# Altium PCB OSA_V100.PcbDoc (part 1 of 5)
Units mm, origin at the board's own origin, x right, y up, seen from the top; angles counter-clockwise.
Board outline 82 x 80 mm, 6 copper layers ([L1] TOP, [L2] GND_1, [L3] SIGNAL, [L4] POWER, [L5] GND_2, [L6] BOTTOM), stack 1.608 mm thick; 297 components, 180 nets, 1222 pads, 1522 vias.
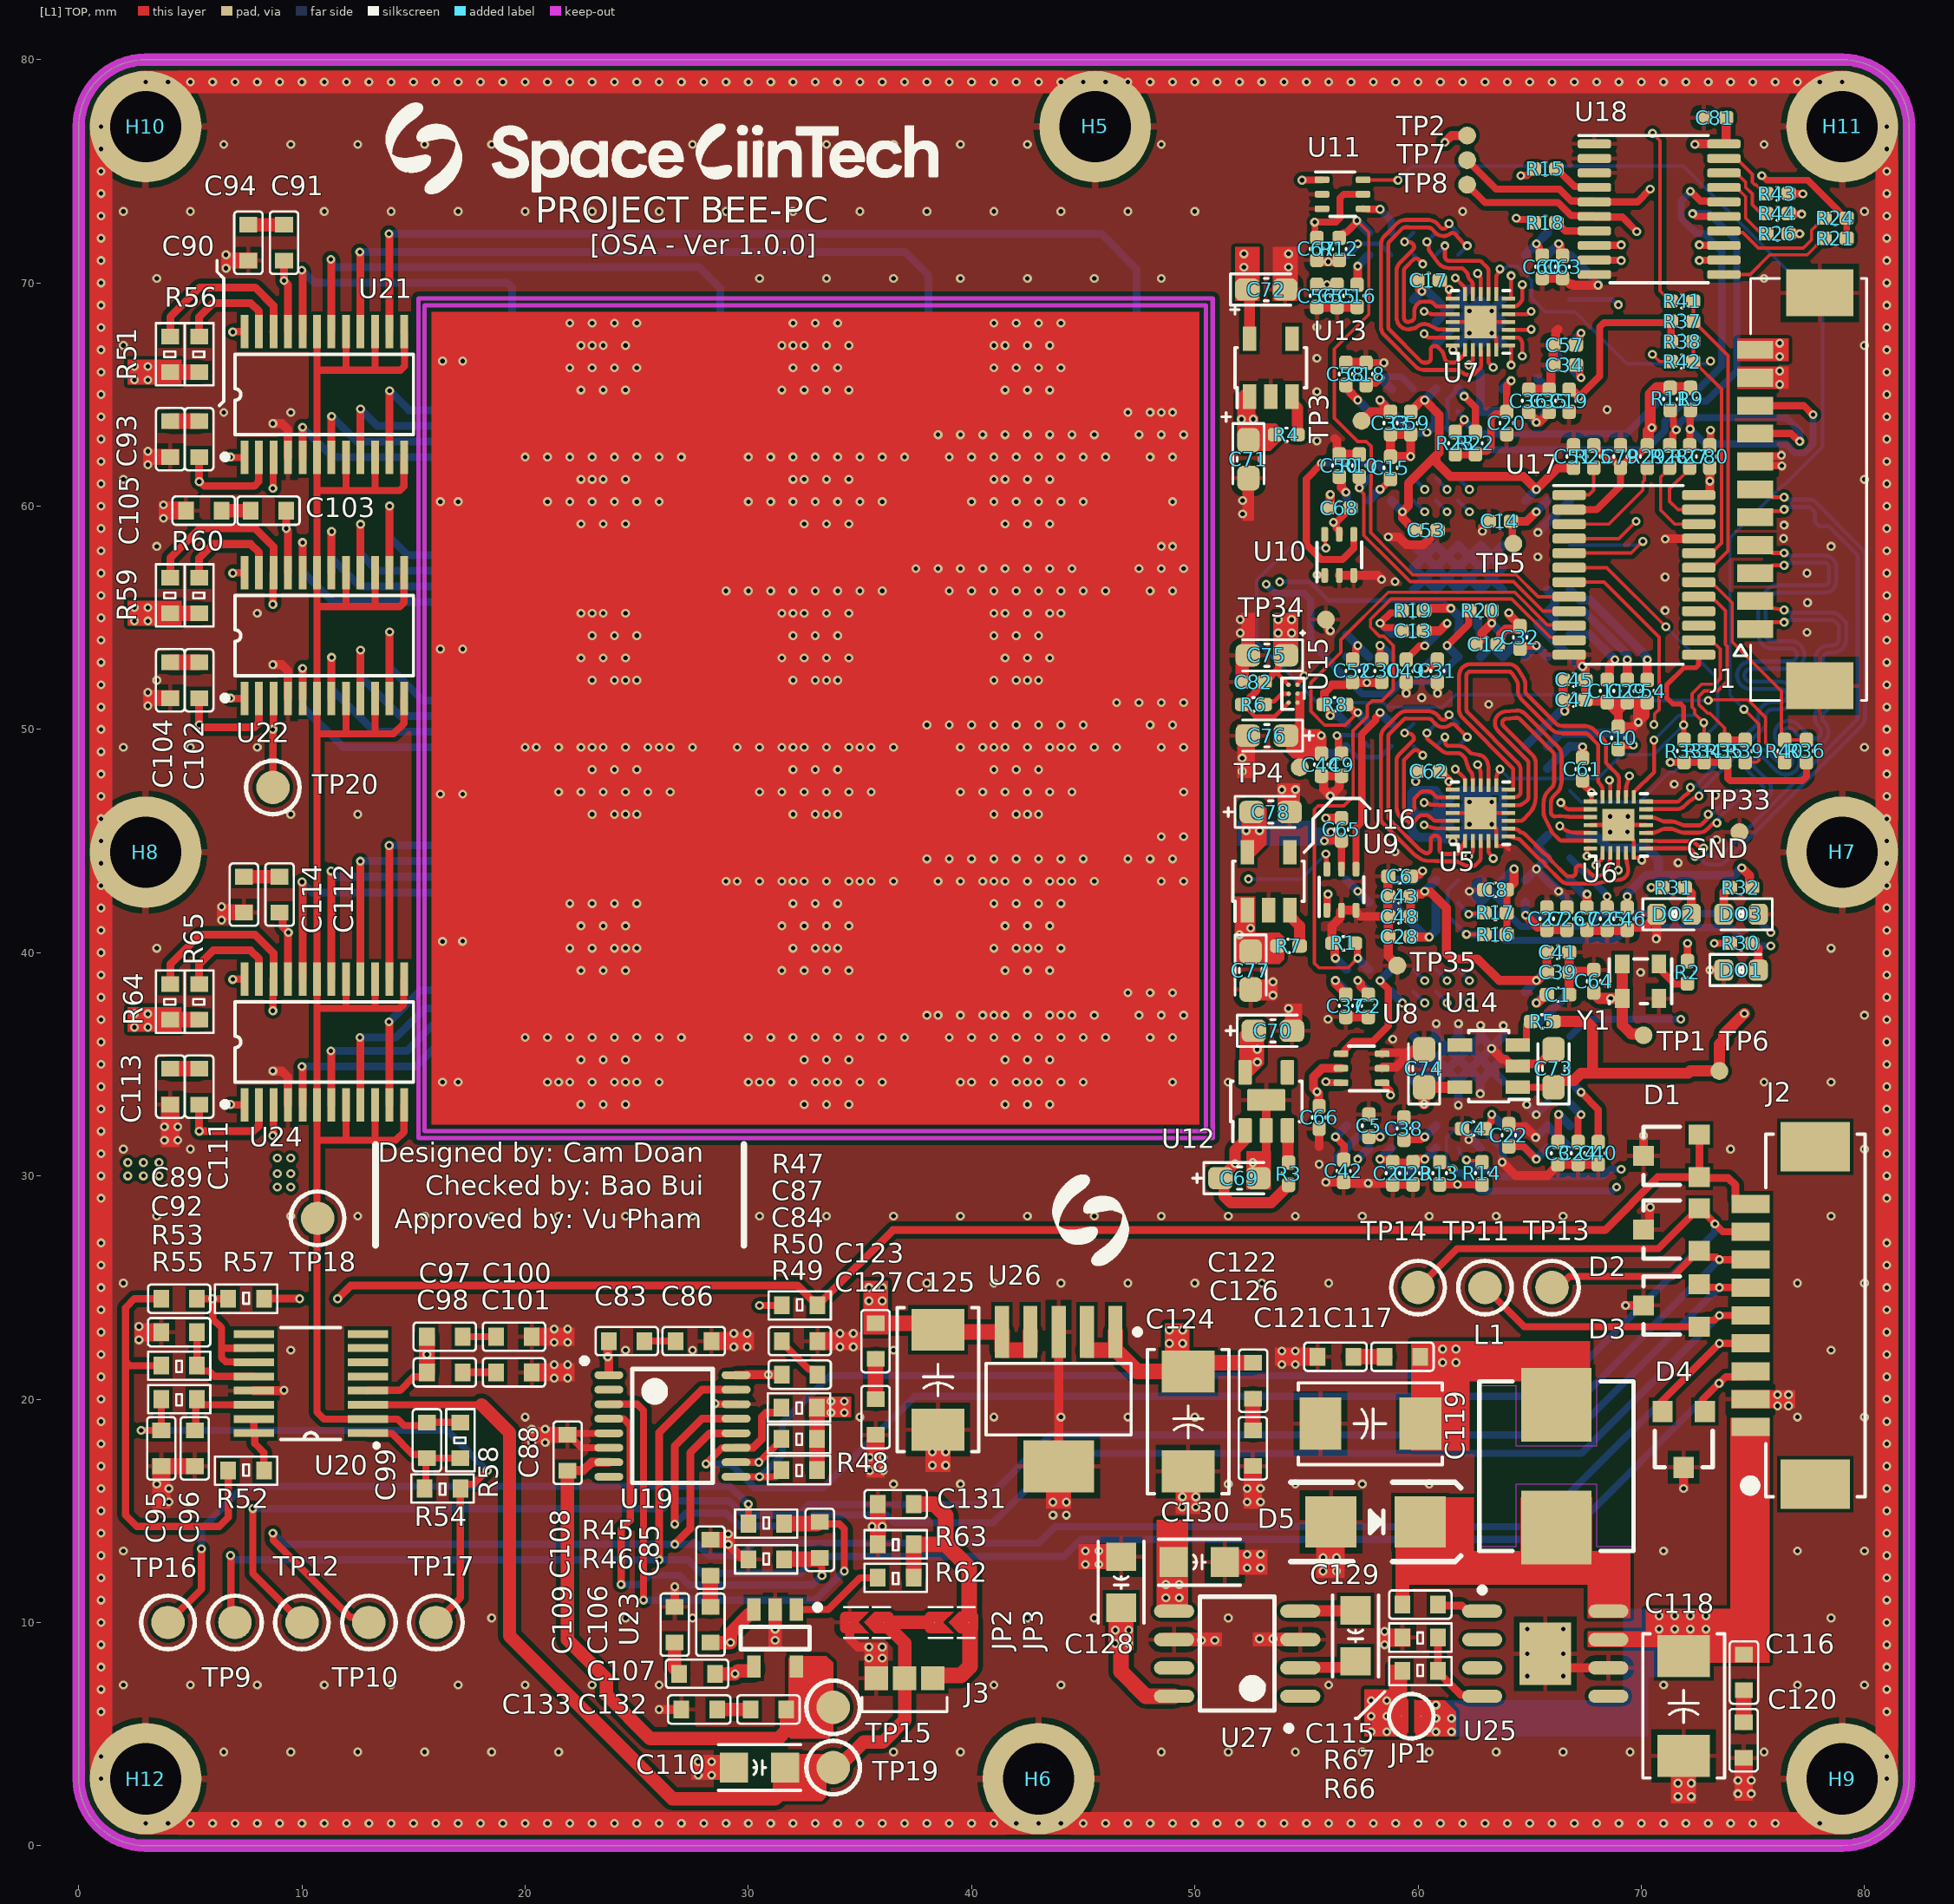
[diagram p0: [L1] TOP view]
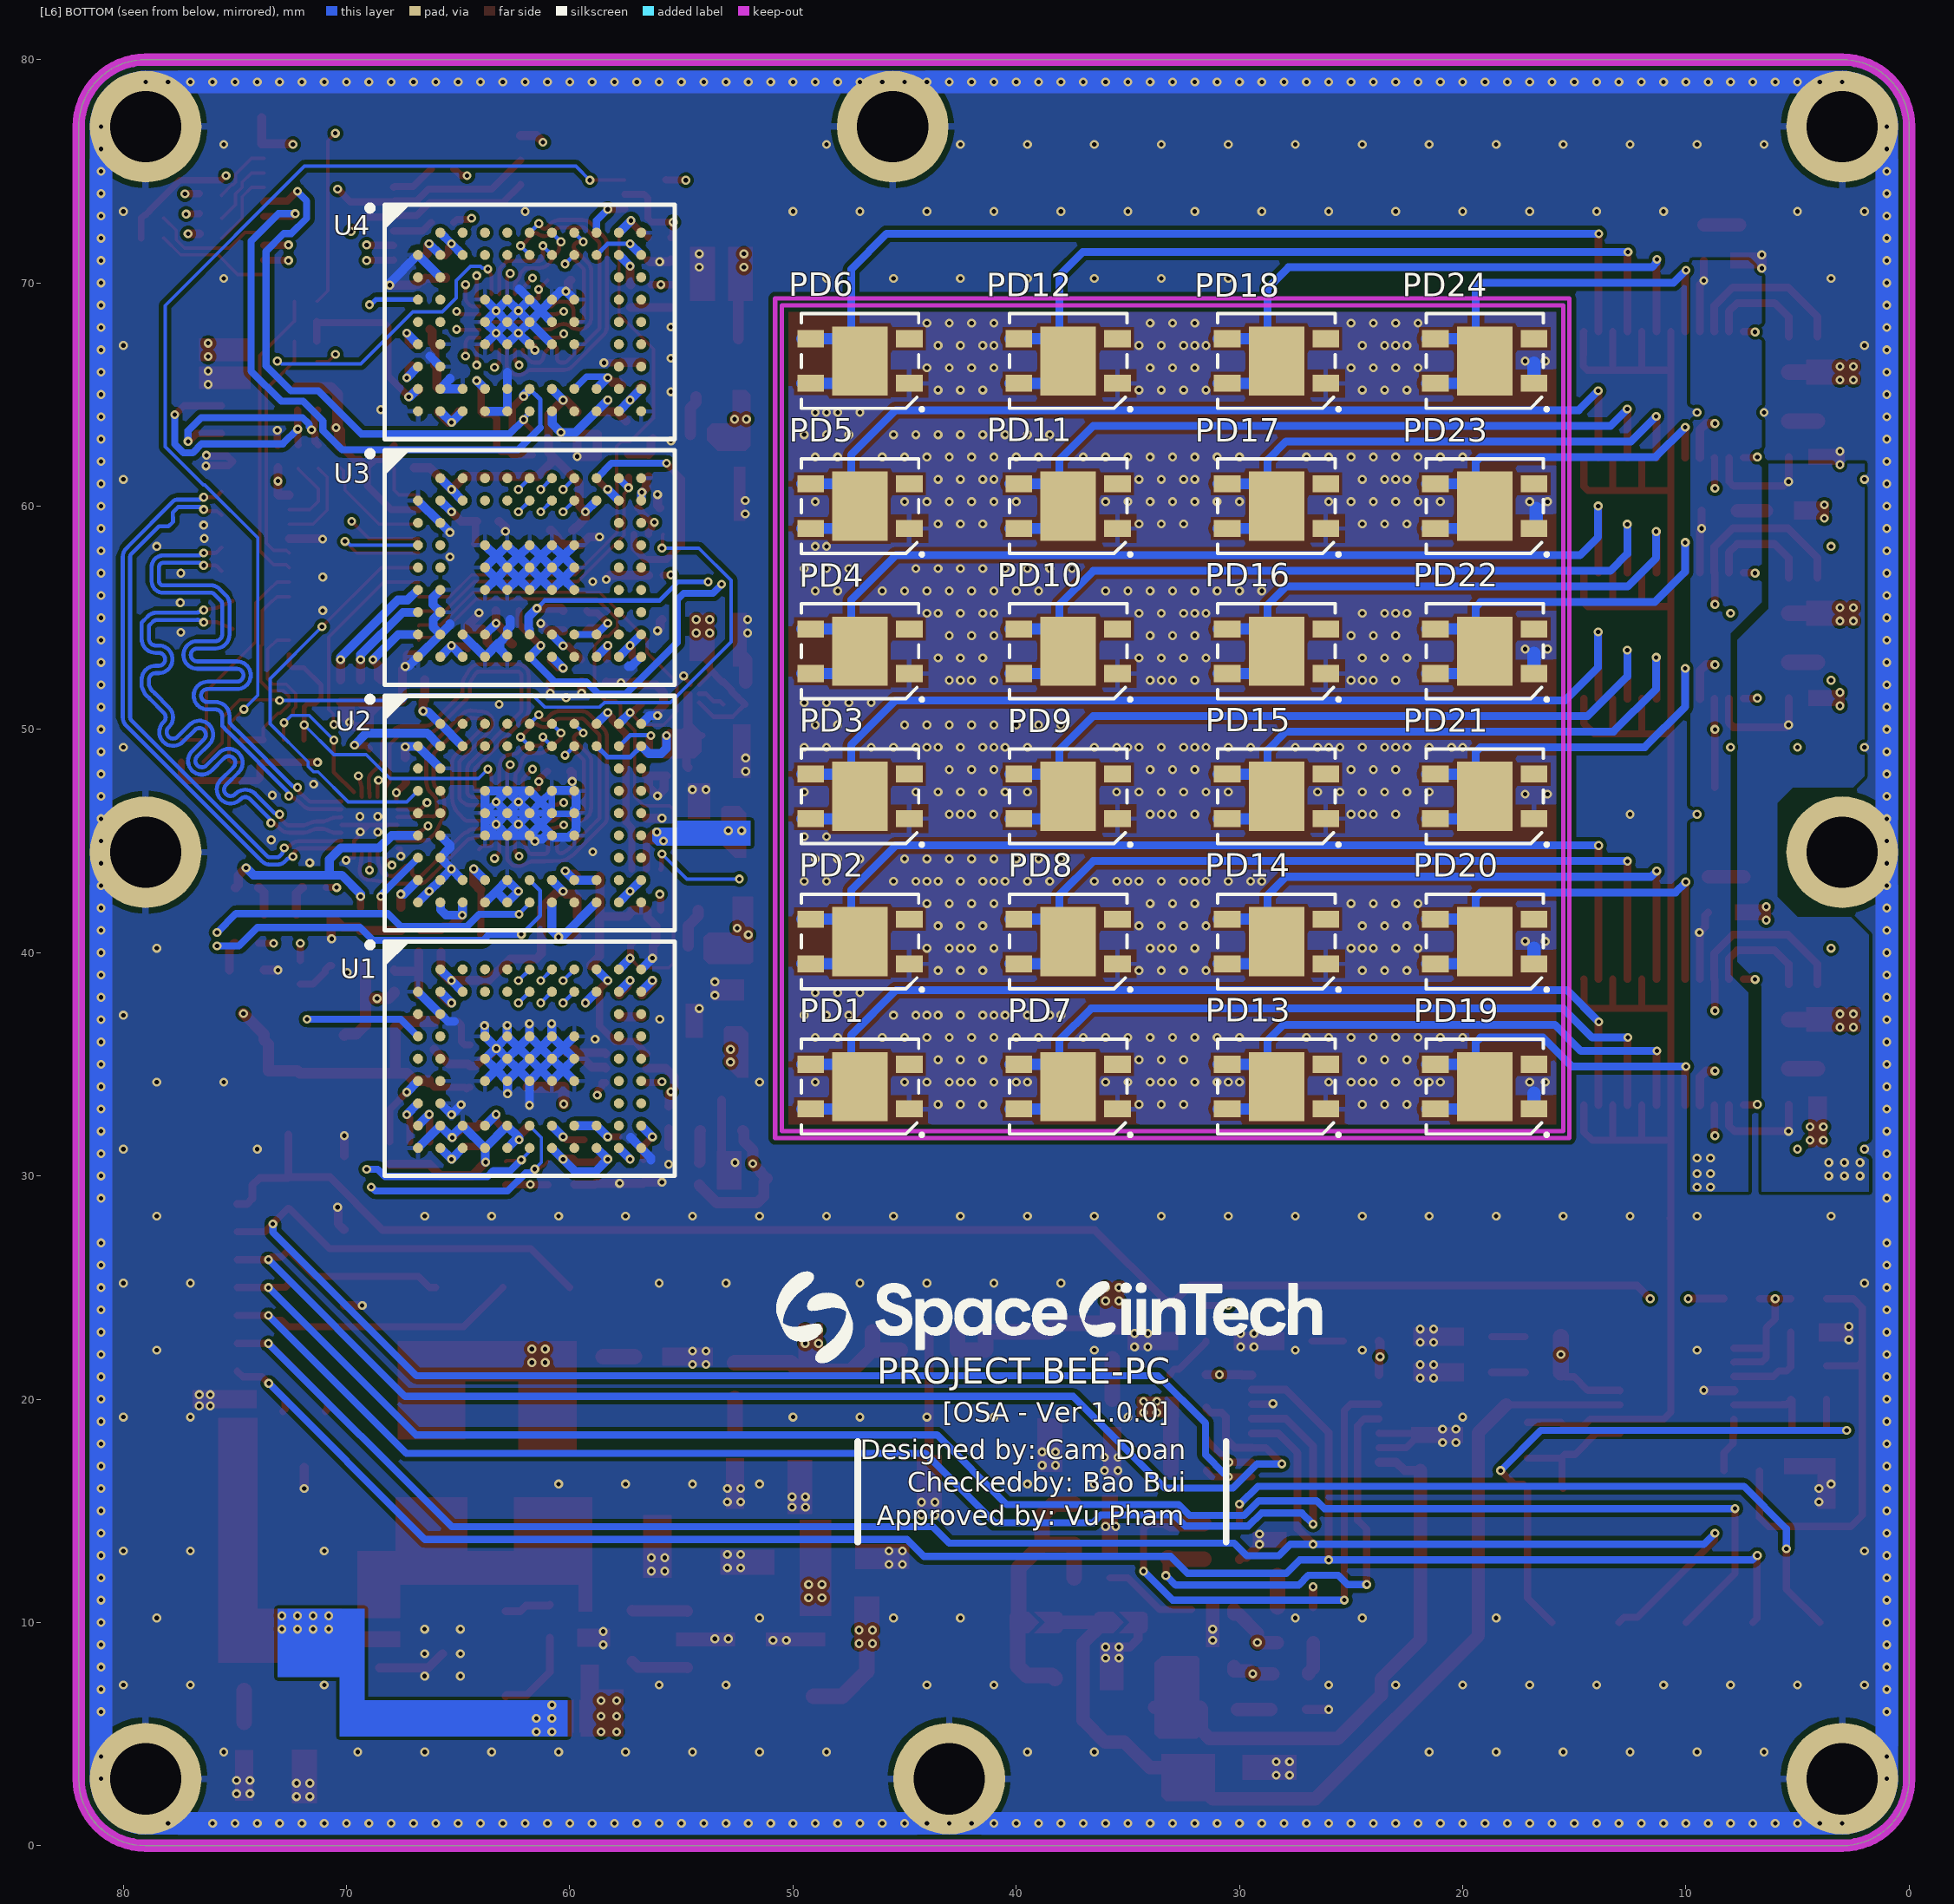
[diagram p1: [L6] BOTTOM view, seen from below]
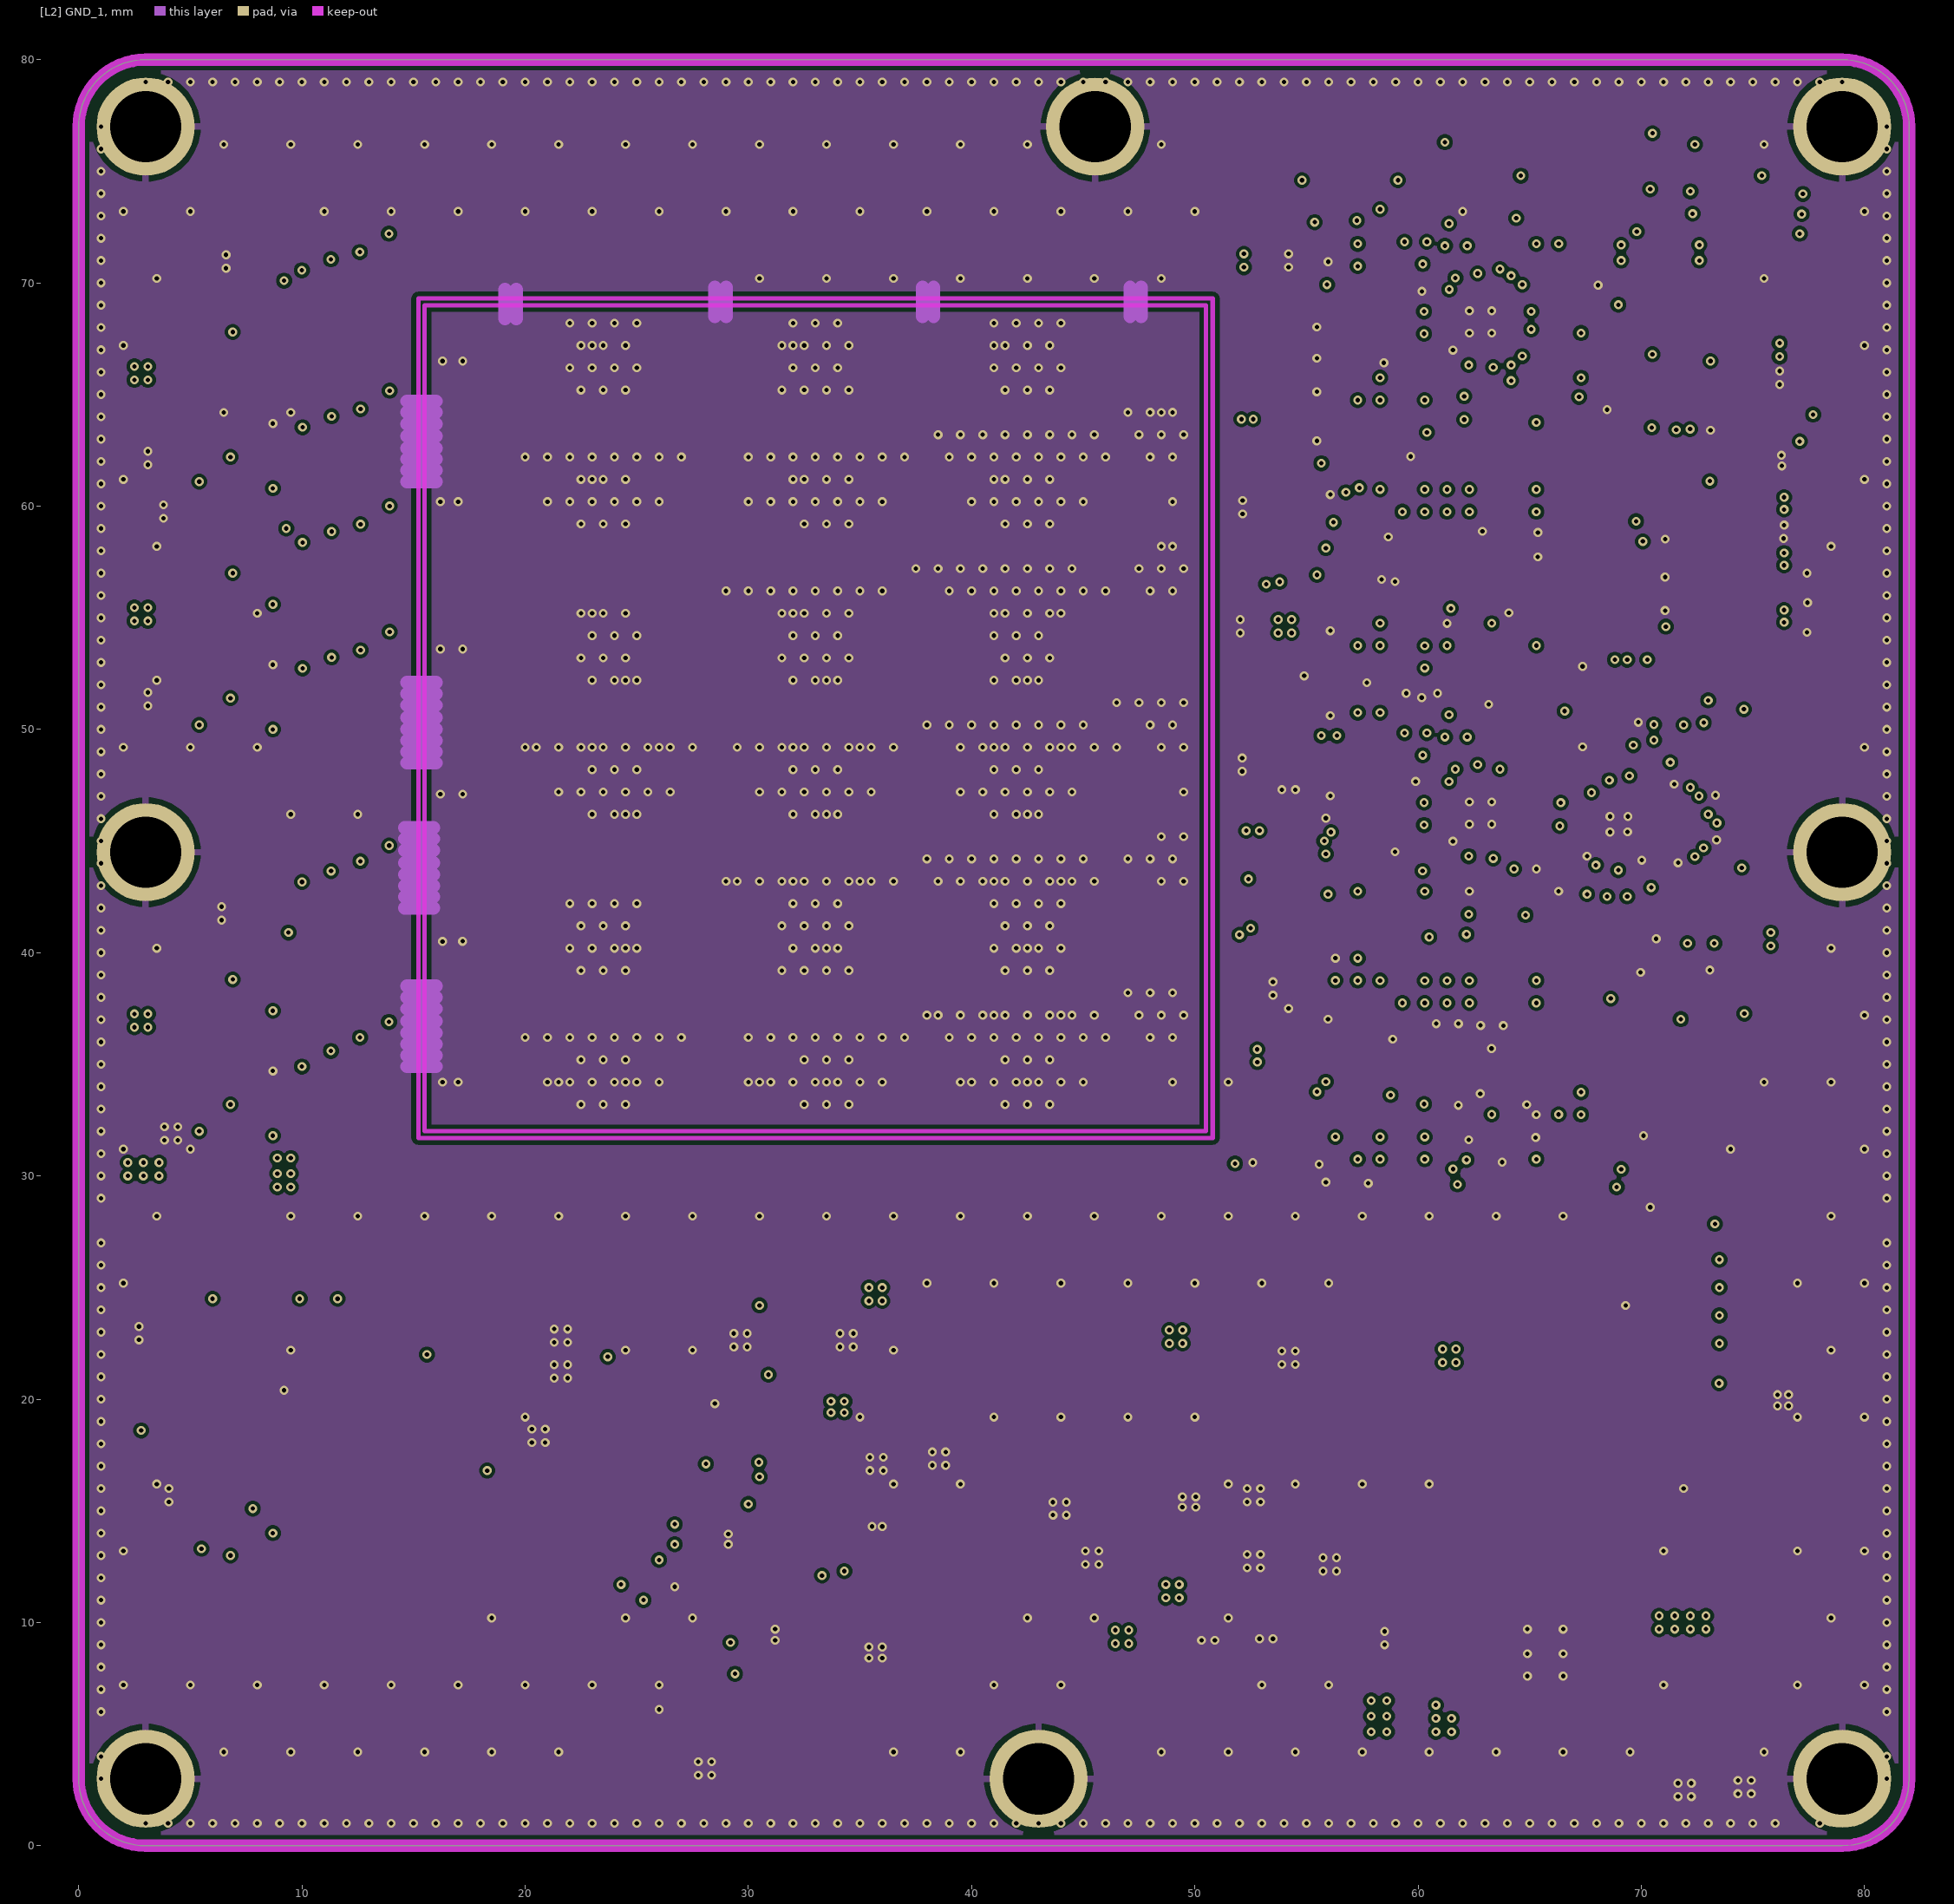
[diagram p2: [L2] GND_1]
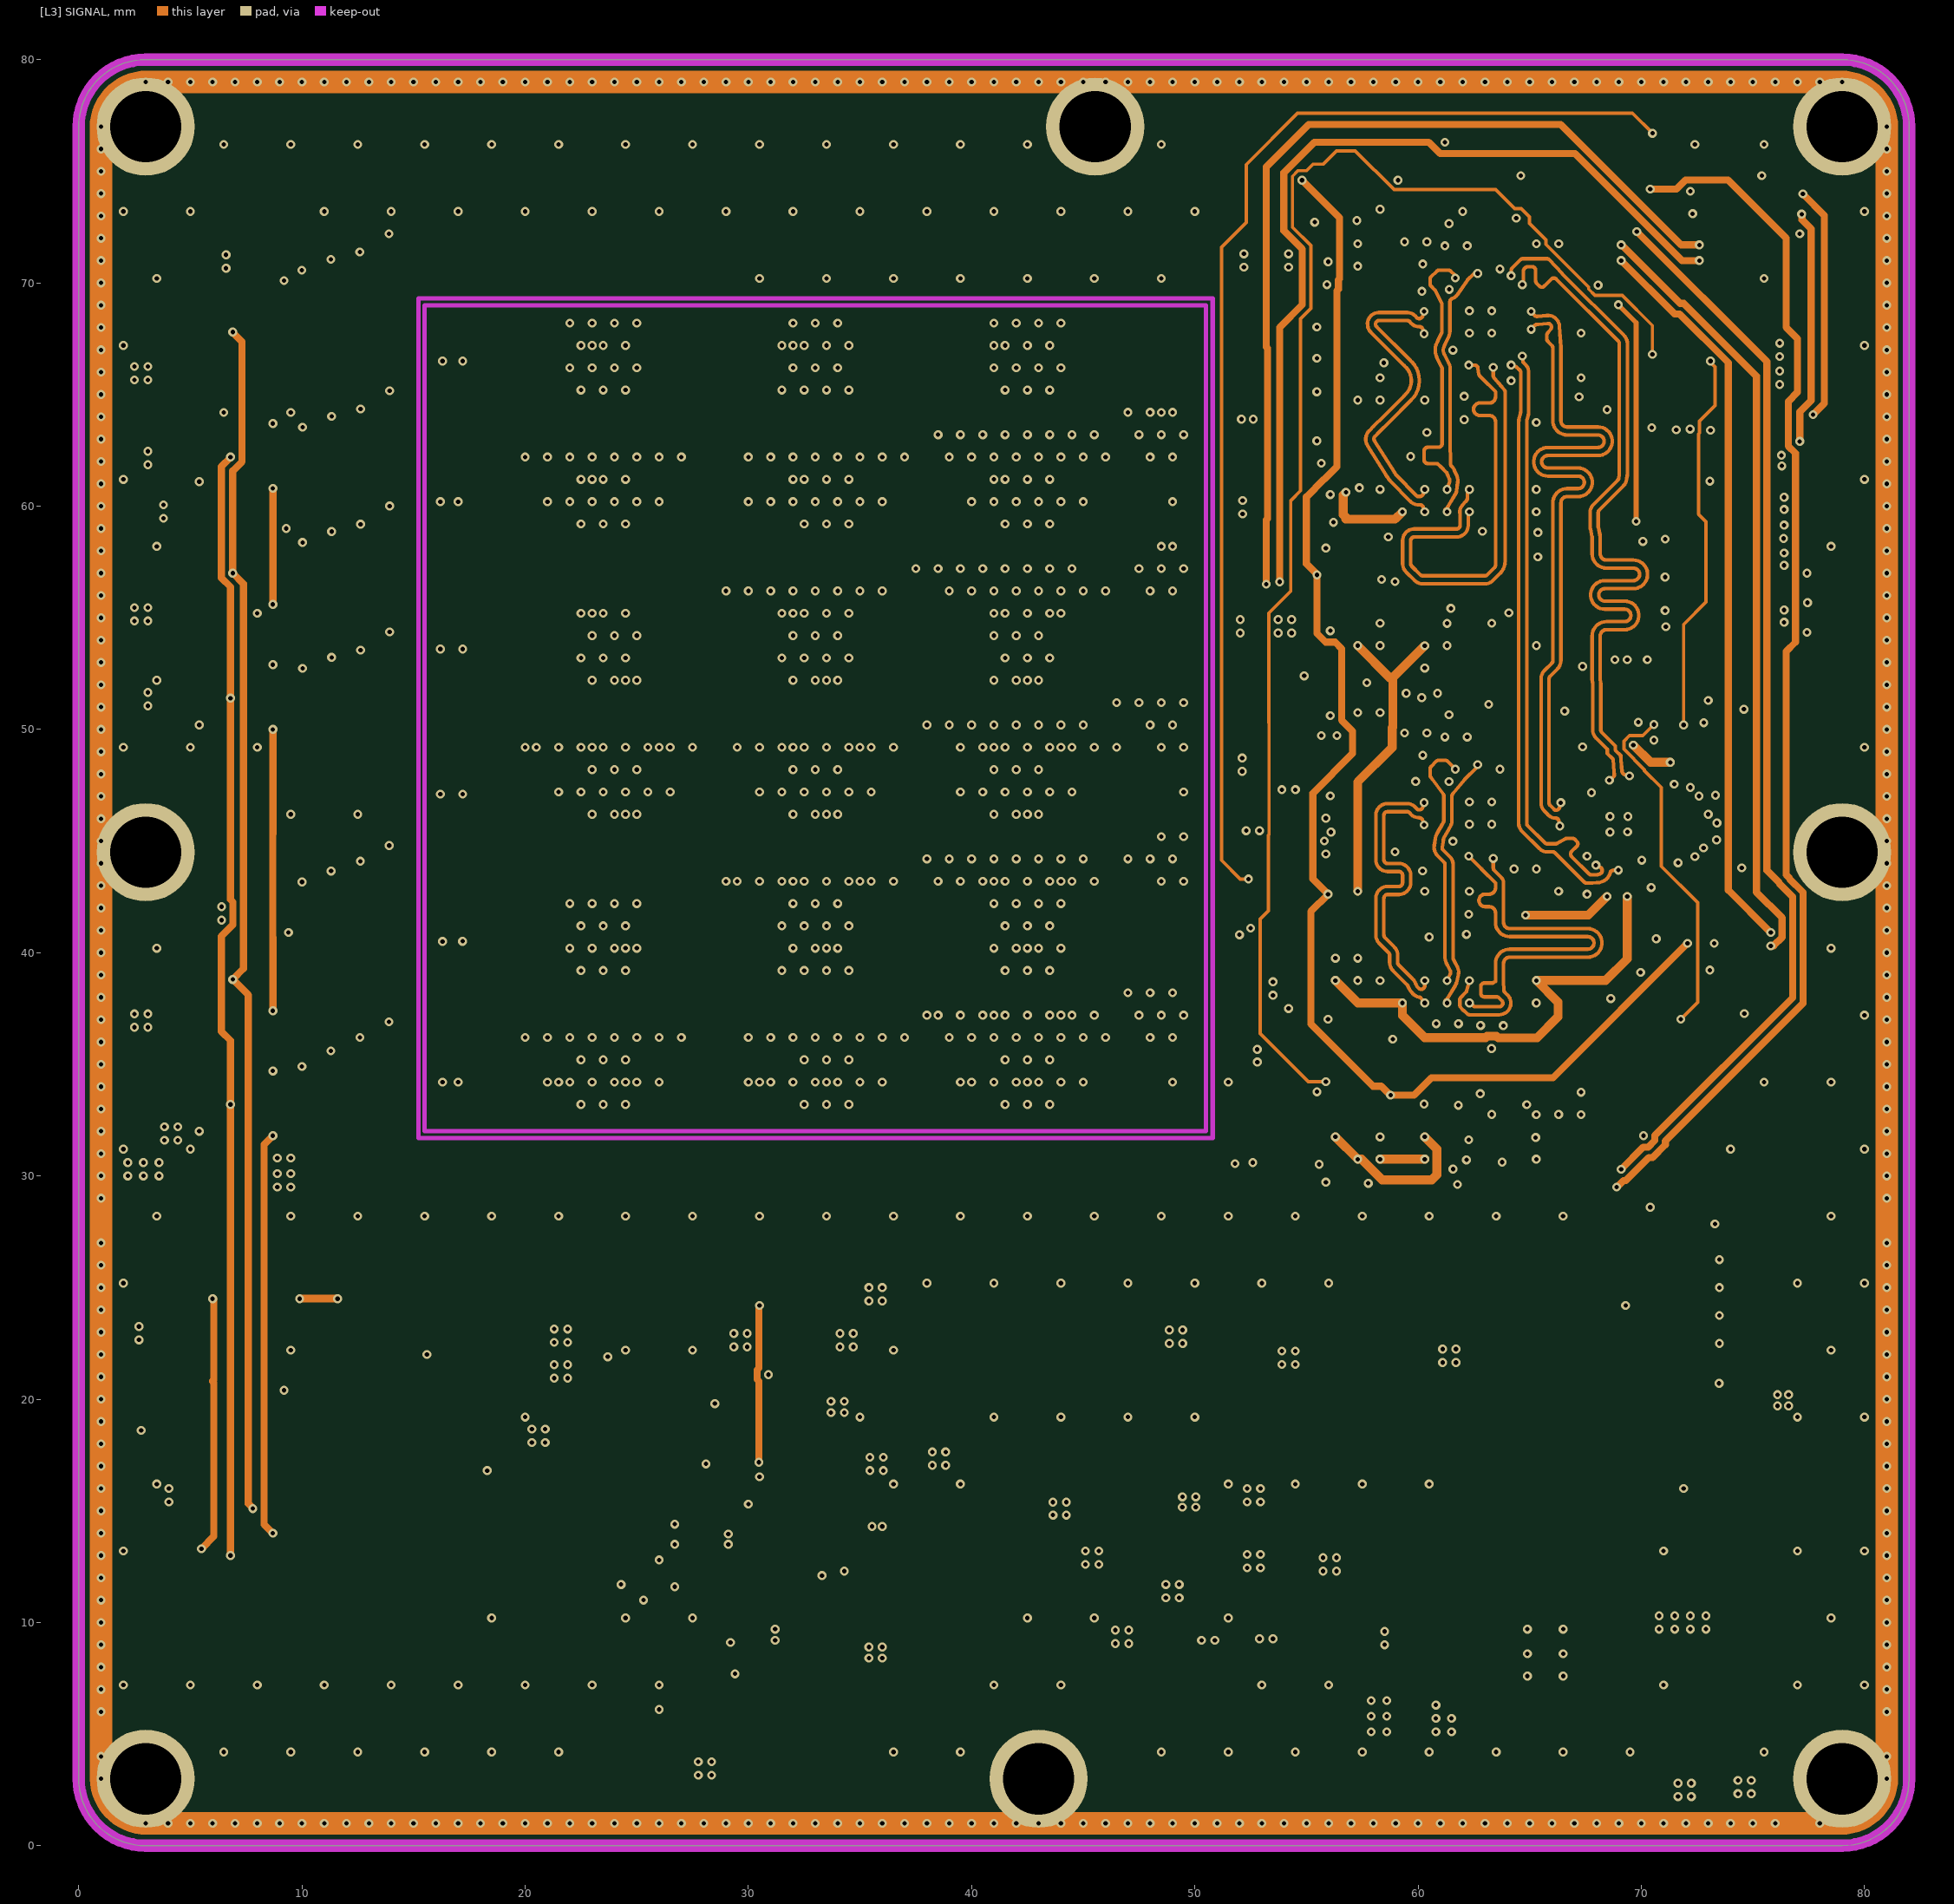
[diagram p3: [L3] SIGNAL]